# Altium PCB UniBot-PW01 V1.0.PcbDoc (continued)
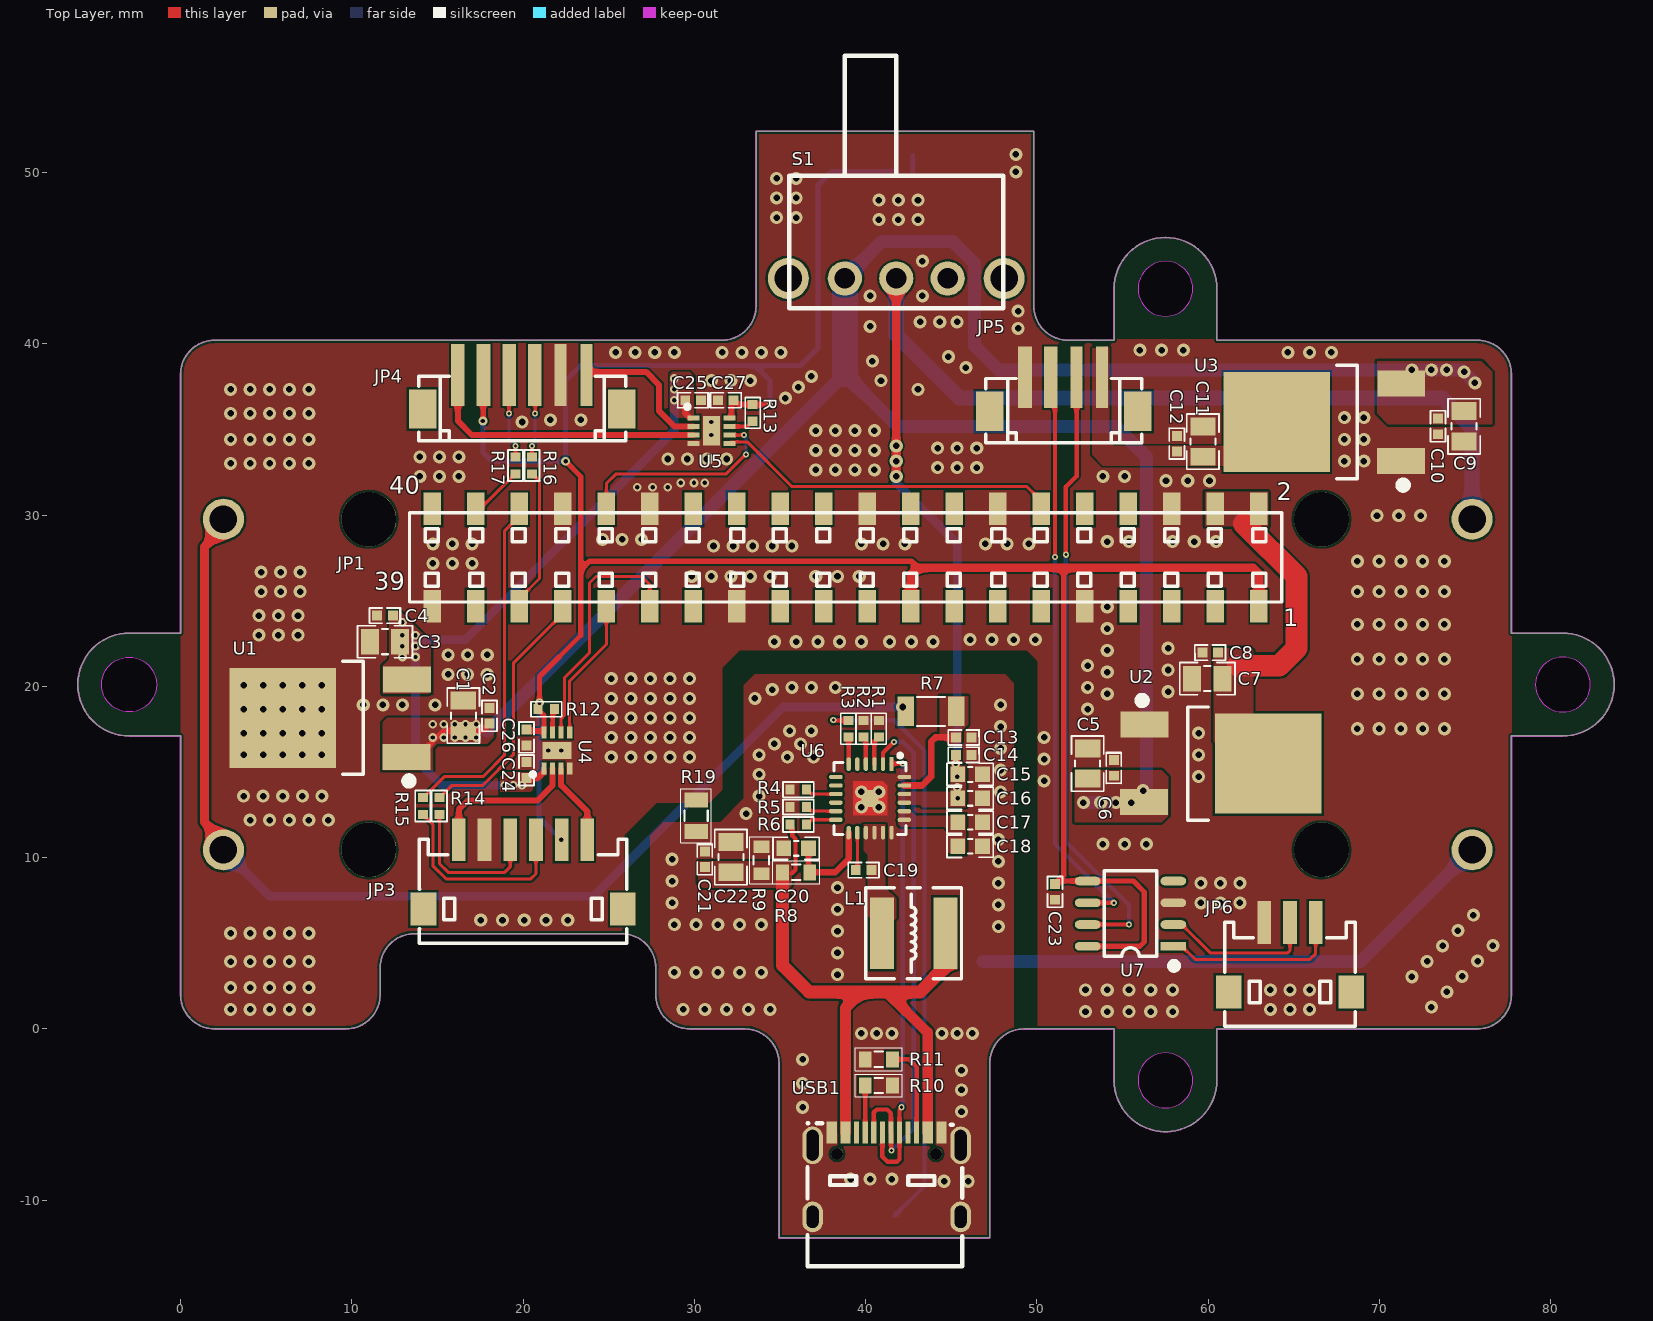
[diagram p0: Top Layer view]
## Part data (continued)
R8: library part E01R00980, "RES SMD 0.5R OHM 1& 1/10W 0603", MPN=0603WAF500LT5E, Power="100mW, 1/10W", Temperature="-55¡ãC ¡« 155¡", Tolerance=±1%, Component=Standard, ComponentLink1Description=Datasheet, ComponentLink1URL=https://atta.szlcsc.com/upload/public/pdf/source/20200306/C422600_1E6D84923E4A46A82E41ADD87F860B5C.pdf, MFG=UNI-ROYAL(厚声, Part Number=E01R00980, Part Type=RES, Updated Time=2024/7/15
R9 R10 R11: library part E01R00981, "KES SMD 5.1K OHM 1% 1/10W 0603", MPN=RS-03K5101FT, Power="100mW, 1/10W", Temperature="-55¡ãC ¡« 155¡", Tolerance=±1%, Component=Standard, ComponentLink1Description=Datasheet, ComponentLink1URL=https://atta.szlcsc.com/upload/public/pdf/source/20140616/1457707091974.pdf, MFG=FH, Part Number=E01R00981, Part Type=RES, Updated Time=2024/7/15
R12 R13 R14 R15 R16 R17: library part E01R00001, "RES SMD 0R OHM 1% 1/16W 0402", MPN=RC-02000FT, Power=62.5mW，1/16W, Temperature="-55¡ãC ¡« 155¡", Tolerance=±1%, Component=Standard, ComponentLink1Description=Datasheet, ComponentLink1URL=https://atta.szlcsc.com/upload/public/pdf/source/20210810/804F937F2E44474796563B62A5505FAF.pdf, MFG=FH, Part Number=E01R00001, Part Type=RES, Updated Time=2024/5/28
R18: library part E01R00975, "KES SMD 10K OHM 0.1% 1/16W 0402", MPN=RT0402BRD0710KL, Power=62.5mW,1/16W, Temperature="-55¡ãC ¡« 155¡", Tolerance=±0.1%, Component=Standard, ComponentLink1Description=Datasheet, ComponentLink1URL=https://atta.szlcsc.com/upload/public/pdf/source/20181009/C309664_C7CEF5A7F4D0541F96EF5E54D941D229.pdf, MFG=YAGEO, Part Number=E01R00975, Part Type=RES, Updated Time=2024/7/3
R19: library part E01R00973, "RES SMD 0R OHM 1% 1/8W 0805", MPN=RS-05000FT, Power=125mW，1/8W, Temperature="-55¡ãC ¡« 155¡", Tolerance=±1%, Component=Standard, ComponentLink1Description=Datasheet, ComponentLink1URL=https://atta.szlcsc.com/upload/public/pdf/source/20190416/C388574_AF5EE7CF95265921D8572CAE9AC5BCAC.pdf, MFG=FH, Part Number=E01R00973, Part Type=RES, Updated Time=2024/6/17
S1: library part SSW-1P, "1路波动开关", BOM名称=²¨¶, 学习资源=www.ooocke.
U1: library part CJ7806
U2 U3: library part CJ7805
U6: Manufacturer=Injoinic, Contributor=JustBlackQ, link=http://www.sz-dowell.com/static/upload/ueditor/file/20190528/1559009056187024649.pdf, Manufacturer Part=IP2326, spicePre=U, spiceSymbolName=IP2326, Supplier Part=IP2326
U7: "USBתTTLоƬ"
USB1: Manufacturer="SHOU HAN", Contributor=LCSC, Manufacturer Part=TYPE-C16PIN, spicePre=U, spiceSymbolName=TYPE-C16PIN, Supplier=LCSC, Supplier Part=C393939

## Via types
v1: diameter 0.762, hole 0.381, Top Layer to Bottom Layer, tented both sides, 425 vias
v2: diameter 0.508, hole 0.254, Top Layer to Bottom Layer, tented both sides, 41 vias
v3: diameter 0.356, hole 0.178, Top Layer to Bottom Layer, tented both sides, 16 vias

## Nets (pads, with @x,y where several pads share a name; then routed paths per layer and width w, separated by ;. In a path a pad name is that pad's centre, name@x,y a point inside that pad or via, vN(x,y) a via of type N, cw(c..) or ccw(c..) an arc to the next point about the centre after c; other vN are vias at no path point)
CHAGRE_DM: U6.1 USB1.A6 USB1.B6 | length 26.4
  Top Layer w0.254: USB1.A6 40.971,-7.443 41.275,-7.747 41.822,-7.747 41.971,-7.598 USB1.B6 41.971,-4.714 42.085,-4.599 v3(42.085,-4.572) ; U6.1 41.509,15.492 41.511,15.494 v3(42.164,15.494)
  Bottom Layer w0.254: v3(42.085,-4.572) 42.164,-4.493 v3(42.164,15.494)
CHARGE_DP: U6.2 USB1.A7 USB1.B7 | length 31.3
  Top Layer w0.254: USB1.B7 40.471,-4.868 40.64,-4.699 41.253,-4.699 41.471,-4.917 USB1.A7 41.494,-6.071 41.494,-7.077 v3@41.529,-7.112 ; U6.2 41.011,15.464 41.011,16.119 v3(41.656,16.764)
  Bottom Layer w0.254: v3(41.511,-7.094) 42.799,-5.807 42.799,16.129 42.164,16.764 v3(41.656,16.764)
GND: C1.2 C2.2 C3.1 C4.1 C5.2 C6.2 C7.1 C8.1 C9.2 C10.2 C11.1 C12.1 C23.2 C24.2 C25.2 C26.2 C27.2 D2.C JP1.6 JP1.9 JP1.14 JP1.20 JP1.25 JP1.30 JP1.34 JP1.39 JP3.2 JP4.2 JP5.4 JP6.1 R19.2 U1.2 U2.1 U3.1 U4.4 U4.9 U5.4 U5.9 U7.3
  other v1: 52.832,1.016 54.102,1.016 55.372,1.016 56.642,1.016 57.912,1.016 2.921,1.143 4.064,1.143 5.207,1.143 6.35,1.143 7.493,1.143 63.627,1.143 64.77,1.143 65.913,1.143 73.025,1.27 73.923,2.168 52.832,2.286 54.102,2.286 55.372,2.286 56.642,2.286 57.912,2.286 63.627,2.286 64.77,2.286 65.913,2.286 2.921,2.413 4.064,2.413 5.207,2.413 6.35,2.413 7.493,2.413 71.882,3.048 74.821,3.066 2.921,3.937 4.064,3.937 5.207,3.937 6.35,3.937 7.493,3.937 72.78,3.946 75.719,3.964 73.678,4.844 76.617,4.862 2.921,5.588 4.064,5.588 5.207,5.588 6.35,5.588 7.493,5.588 74.576,5.742 17.526,6.35 18.796,6.35 20.066,6.35 21.336,6.35 22.606,6.35 75.474,6.64 59.563,7.366 60.706,7.366 61.849,7.366 59.563,8.509 60.706,8.509 61.849,8.509 53.848,10.795 55.118,10.795 56.388,10.795 4.064,12.192 5.207,12.192 6.35,12.192 7.493,12.192 8.636,12.192 3.683,13.589 4.826,13.589 5.969,13.589 7.112,13.589 8.255,13.589 50.419,14.478 59.436,14.732 50.419,15.748 25.146,15.875 26.289,15.875 27.432,15.875 28.575,15.875 29.718,15.875 3.683,16.002 4.826,16.002 5.969,16.002 7.112,16.002 8.255,16.002 59.436,16.002 25.146,17.018 26.289,17.018 27.432,17.018 28.575,17.018 29.718,17.018 50.419,17.018 3.683,17.272 4.826,17.272 5.969,17.272 7.112,17.272 8.255,17.272 59.436,17.272 68.707,17.526 69.977,17.526 71.247,17.526 72.517,17.526 73.787,17.526 25.146,18.161 26.289,18.161 27.432,18.161 28.575,18.161 29.718,18.161 3.683,18.669 4.826,18.669 5.969,18.669 7.112,18.669 8.255,18.669 52.959,18.669 10.668,18.923 11.811,18.923 12.954,18.923 14.859,18.923 25.146,19.304 26.289,19.304 27.432,19.304 28.575,19.304 29.718,19.304 54.102,19.558 68.707,19.558 69.977,19.558 71.247,19.558 72.517,19.558 73.787,19.558 57.658,19.685 52.959,19.939 3.683,20.066 4.826,20.066 5.969,20.066 7.112,20.066 8.255,20.066 25.146,20.447 26.289,20.447 27.432,20.447 28.575,20.447 29.718,20.447 15.621,20.701 16.764,20.701 17.907,20.701 54.102,20.828 57.658,20.955 52.959,21.209 68.707,21.59 69.977,21.59 71.247,21.59 72.517,21.59 73.787,21.59 15.621,21.844 16.764,21.844 17.907,21.844 54.102,22.098 57.658,22.225 34.671,22.606 35.941,22.606 37.211,22.606 38.481,22.606 39.751,22.606 41.402,22.606 42.672,22.606 43.942,22.606 46.101,22.733 47.371,22.733 48.641,22.733 49.911,22.733 4.572,22.987 5.715,22.987 6.858,22.987 54.102,23.368 68.707,23.622 69.977,23.622 71.247,23.622 72.517,23.622 73.787,23.622 4.572,24.13 5.715,24.13 6.858,24.13 54.102,24.638 4.699,25.527 5.842,25.527 6.985,25.527 68.707,25.527 69.977,25.527 71.247,25.527 72.517,25.527 73.787,25.527 29.845,26.416 30.988,26.416 32.131,26.416 33.274,26.416 34.417,26.416 37.084,26.416 38.354,26.416 39.624,26.416 4.699,26.67 5.842,26.67 6.985,26.67 14.732,27.178 15.875,27.178 17.018,27.178 68.707,27.305 69.977,27.305 71.247,27.305 72.517,27.305 73.787,27.305 31.115,28.194 32.258,28.194 33.401,28.194 34.544,28.194 35.687,28.194 14.732,28.321 15.875,28.321 17.018,28.321 39.751,28.321 41.021,28.321 42.291,28.321 46.99,28.321 48.26,28.321 49.53,28.321 54.102,28.448 55.372,28.448 57.912,28.448 59.182,28.448 60.452,28.448 24.638,28.575 25.781,28.575 26.924,28.575 69.85,29.972 71.12,29.972 72.39,29.972 57.531,32.004 58.801,32.004 60.071,32.004 13.97,32.258 15.113,32.258 16.256,32.258 53.848,32.258 55.118,32.258 37.084,32.639 38.227,32.639 39.37,32.639 40.513,32.639 44.196,32.766 45.339,32.766 46.482,32.766 2.921,33.02 4.064,33.02 5.207,33.02 6.35,33.02 7.493,33.02 67.945,33.147 69.088,33.147 28.448,33.274 29.591,33.274 30.734,33.274 31.877,33.274 13.97,33.401 15.113,33.401 16.256,33.401 37.084,33.782 38.227,33.782 39.37,33.782 40.513,33.782 44.196,33.909 45.339,33.909 46.482,33.909 2.921,34.417 4.064,34.417 5.207,34.417 6.35,34.417 7.493,34.417 67.945,34.417 69.088,34.417 37.084,34.925 38.227,34.925 39.37,34.925 40.513,34.925 19.939,35.433 21.59,35.56 23.368,35.56 67.945,35.687 69.088,35.687 2.921,35.941 4.064,35.941 5.207,35.941 6.35,35.941 7.493,35.941 35.306,36.83 2.921,37.338 4.064,37.338 5.207,37.338 6.35,37.338 7.493,37.338 43.053,37.338 36.068,37.465 30.988,37.846 32.131,37.846 33.274,37.846 40.894,37.846 36.83,38.1 45.847,38.608 40.386,38.989 44.831,39.243 25.4,39.497 26.543,39.497 27.686,39.497 28.829,39.497 31.623,39.497 32.766,39.497 33.909,39.497 35.052,39.497 64.643,39.497 65.913,39.497 67.183,39.497 56.007,39.624 57.277,39.624 58.547,39.624 48.895,40.894 40.259,41.021 43.18,41.275 44.323,41.275 45.339,41.275 48.895,41.91 40.259,42.799 43.307,42.799 43.307,44.831 40.767,47.244 41.91,47.244 43.053,47.244 34.798,47.371 35.941,47.371 40.767,48.387 41.91,48.387 43.053,48.387 34.798,48.514 35.941,48.514 34.798,49.657 35.941,49.657 48.768,50.038 48.768,51.054
  other v2: 21.463,16.256 22.225,16.256 26.67,31.623 27.559,31.623 28.448,31.623 29.21,31.877 29.972,31.877 30.607,31.877 30.988,34.671 30.988,35.433
GPIO2: JP1.3
GPIO3: JP1.5
GPIO4: JP1.7
GPIO5: JP1.29 U4.6 | length 14.6
  Top Layer w0.178: U4.6 22.221,18.117 22.416,18.312 22.416,20.511 23.876,21.971 23.876,26.035 24.257,26.416 26.924,26.416 27.397,25.943 JP1.29
GPIO6: JP1.31 U4.5 | length 8.3
  Top Layer w0.178: U4.5 22.721,20.308 24.857,22.444 JP1.31
GPIO7: JP1.26
GPIO8: JP1.24
GPIO9: JP1.21
GPIO10: JP1.19
GPIO11: JP1.23
GPIO12: JP1.32 U5.6 | length 12.4
  Top Layer w0.178: JP1.32 24.857,31.842 25.4,32.385 31.832,32.385 32.975,33.528 v3(33.02,33.528) ; U5.6 32.042,34.671 v3(32.893,34.671)
  Bottom Layer w0.178: v3(32.893,34.671) 33.02,34.544 v3(33.02,33.528)
GPIO13: JP1.33 R14.1 | length 15.4
  Top Layer w0.178: R14.1 15.138,13.501 15.861,14.224 17.653,14.224 19.431,16.002 19.431,21.351 22.317,24.237 JP1.33
  Top Layer w0.254: JP1.33@22.317,24.897 JP1.33@22.317,25.117
GPIO14: JP1.8
GPIO15: JP1.10
GPIO16: JP1.36 R15.1 | length 20.5
  Top Layer w0.178: R15.1 14.174,13.501 15.405,14.732 17.653,14.732 18.923,16.002 18.923,29.083 19.777,29.937 JP1.36
GPIO17: JP1.11
GPIO18: JP1.12 U5.5 | length 20.1
  Top Layer w0.178: U5.5 32.14,34.277 33.081,34.277 35.698,31.661 49.413,31.661 50.257,30.817 JP1.12
GPIO19: JP1.35 R16.1 | length 8.4
  Top Layer w0.178: JP1.35 19.777,25.117 20.955,26.295 20.955,31.975 20.723,32.207 20.723,32.232 20.547,32.408 R16.1
GPIO20: JP1.38 R17.1 | length 3.7
  Top Layer w0.178: JP1.38 17.237,30.817 17.589,30.464 19.533,32.408 R17.1
GPIO21: JP1.40
GPIO22: JP1.15
GPIO23: JP1.16
GPIO24: JP1.18
GPIO25: JP1.22
GPIO26: JP1.37
GPIO27: JP1.13
ID_SC: JP1.28
ID_SD: JP1.27
LD_RX: JP5.3 U7.6 | length 33.7
  Top Layer w0.254: JP5.3 51.054,37.795 v3(51.054,27.559) ; U7.6 v3(54.483,7.366)
  Bottom Layer w0.254: v3(51.054,27.559) 51.054,10.795 v3(54.483,7.366)
LD_TX: JP5.2 U7.7 | length 36.2
  Top Layer w0.254: v3(51.689,27.686) 51.689,31.647 52.312,32.27 52.312,38.037 JP5.2 ; U7.7 v3(55.372,6.096)
  Bottom Layer w0.254: v3(51.689,27.686) 51.689,10.922 55.372,7.239 v3(55.372,6.096)
M1_A: JP3.3 R14.2 | length 8.9
  Top Layer w0.178: R14.2 15.113,9.652 15.621,9.144 18.923,9.144 19.25,9.471 JP3.3
M1_B: JP3.4 R15.2 | length 11.7
  Top Layer w0.178: R15.2 14.174,12.531 14.35,12.355 14.35,12.33 14.732,11.947 14.732,9.525 15.494,8.763 20.447,8.763 20.75,9.066 JP3.4
M1_F: JP3.6 U4.3 | length 4.8
  Top Layer w0.356: U4.3 22.221,14.228 23.749,12.7 JP3.6 JP3.6
M1_Z: JP3.1 U4.2 | length 8.8
  Top Layer w0.356: JP3.1 16.25,12.821 16.764,13.335 20.828,13.335 21.721,14.228 U4.2
M2_A: JP4.3 R16.2 | length 4.9
  Top Layer w0.178: R16.2 v3(20.522,34.036) ; v3(20.701,35.918) JP4.3@20.701,38.176
  Bottom Layer w0.178: v3(20.522,34.036) 20.701,34.215 v3(20.701,35.918)
M2_B: JP4.4 R17.2 | length 5
  Top Layer w0.178: v3(19.177,35.918) JP4.4@19.177,38.176 ; R17.2 v3(19.558,34.036)
  Bottom Layer w0.178: v3(19.177,35.918) 19.177,34.417 v3(19.558,34.036)
M2_F: JP4.6 U5.3 | length 16.8
  Top Layer w0.356: JP4.6 16.188,35.501 17.014,34.675 U5.3
M2_Z: JP4.1 U5.2 | length 8.5
  Top Layer w0.356: JP4.1 23.688,38.182 23.86,38.354 27.178,38.354 27.94,37.592 27.94,36.068 28.833,35.175 U5.2
NetC13_2: C13.2 R7.1 U6.23 | length 5.7
  Top Layer w0.381: U6.23 43.295,14.212 43.815,14.732 43.815,16.764 44.069,17.018 C13.2 C13.2@45.271,17.029 ; R7.1 R7.1@45.295,18.922
NetC17_2: C17.2 C18.2 U6.19 U6.20
NetC19_1: C19.1 L1.1 U6.15 U6.16 U6.17
NetC19_2: C19.2 U6.14 | length 2.2
  Top Layer w0.178: U6.14 39.509,9.307 C19.2@39.545,9.271
NetC20_1: C20.1 R8.1 U6.13 | length 5.2
  Top Layer w0.178: R8.1@36.661,9.219 R8.1
  Top Layer w0.254: R8.1@36.661,9.219 C20.1
  Top Layer w0.381: 37.117,9.144 38.227,9.144 39.009,9.926 U6.13
NetD1_A: D1.A R3.1 | length 34.8
  Top Layer w0.254: v3@38.123,18.011 R3.1
  Bottom Layer w0.254: v3(38.107,18.027) 41.663,18.027 43.434,16.256 43.434,-1.397 43.434,-9.163 41.7,-10.897 D1.A
NetD2_A: D2.A R18.1 | length 1
  Bottom Layer w0.254: R18.1@42.716,50.038 R18.1@42.746,50.008 ; R18.1@42.746,50.068 D2.A@42.746,51.024
NetR1_2: R1.2 U6.3 | length 1.7
  Top Layer w0.178: R1.2@40.742,17.041 R1.2
  Top Layer w0.254: U6.3 40.509,16.808 R1.2@40.742,17.041
NetR2_2: R2.2 U6.4 | length 1.6
  Top Layer w0.178: R2.2 R2.2@40.009,16.91
  Top Layer w0.254: U6.4 R2.2@40.009,16.91
NetR3_2: R3.2 U6.6 | length 1.6
  Top Layer w0.254: R3.2 39.007,17.023 39.007,15.464 U6.6
NetR4_2: R4.2 U6.9 | length 1.8
  Top Layer w0.178: R4.2 36.553,13.945 36.786,13.712 U6.9
NetR5_2: R5.2 U6.11 | length 1.8
  Top Layer w0.178: R5.2 36.553,12.929 36.77,12.712 U6.11
NetR6_1: R6.1 U6.12 | length 1.8
  Top Layer w0.178: R6.1 36.553,11.963 36.802,12.212 U6.12
NetR10_2: R10.2 USB1.A5 | length 2.7
  Top Layer w0.254: USB1.A5@39.972,-6.047 R10.2@39.972,-3.302
NetR11_2: R11.2 USB1.B5 | length 5.4
  Top Layer w0.254: R11.2 42.545,-1.778 42.971,-2.204 USB1.B5
NetR12_1: R12.1 U4.7 | length 1.4
  Top Layer w0.254: U4.7 21.721,18.546 R12.1
NetR13_1: R13.1 U5.7 | length 1.5
  Top Layer w0.254: U5.7 33.072,35.175 33.376,35.479 R13.1
PGND: C13.1 C14.1 C15.2 C16.2 C17.1 C18.1 C20.2 C21.2 C22.2 D1.C JP2.3 R1.1 R2.1 R4.1 R5.1 R9.2 R10.1 R11.1 R19.1 U6.18 U6.24 U6.25 USB1.1 USB1.2 USB1.3 USB1.4 USB1.A1B12 USB1.B1A12 | length 31.2
  Bottom Layer w0.762: 46.863,3.937 68.883,3.937 JP2.3
  other v1: 44.577,-8.89 45.974,-8.89 39.116,-8.763 40.259,-8.763 41.529,-8.763 45.593,-4.826 36.322,-4.572 45.593,-3.556 36.322,-3.175 45.593,-2.413 36.322,-1.778 39.751,-0.254 40.64,-0.254 41.529,-0.254 44.45,-0.254 45.339,-0.254 46.228,-0.254 29.337,1.143 30.607,1.143 31.877,1.143 33.147,1.143 34.417,1.143 38.354,3.175 28.829,3.302 30.099,3.302 31.369,3.302 32.639,3.302 33.909,3.302 38.354,4.445 38.354,5.715 47.752,5.969 28.829,6.096 30.099,6.096 31.369,6.096 32.639,6.096 33.909,6.096 38.354,6.985 47.752,7.239 28.702,7.366 38.354,8.255 47.752,8.509 28.702,8.636 47.752,9.779 28.702,9.906 47.752,11.049 33.02,12.573 39.751,12.954 40.767,12.954 33.782,13.589 39.751,13.843 40.767,13.843 47.879,13.843 33.782,14.859 47.879,15.113 35.433,15.875 36.957,15.875 33.782,16.002 47.879,16.383 34.671,16.637 36.195,16.637 35.56,17.399 36.83,17.399 47.879,17.653 47.879,18.923 33.528,19.304 34.544,19.812 35.687,19.939 36.83,19.939 38.227,19.939
VBAT: C14.2 C15.1 C16.1 JP2.1 S1.2 U6.21 U6.22 | length 76.4
  Top Layer w0.254: C15.1@45.26,14.98 C15.1
  Top Layer w0.508: v1(41.783,32.258) v1(41.783,33.147) v1(41.783,34.036) S1.2 ; C15.1@45.26,14.98 v2(45.26,15.491) C14.2
  Bottom Layer w0.508: v1(41.783,34.036) v1(41.783,33.147) v1(41.783,32.258) 41.783,31.877 45.339,28.321 45.339,16.383
  Bottom Layer w0.889: S1.2 41.783,40.513 45.466,36.83 73.66,36.83 75.403,35.087 JP2.1
  other v2: 45.381,13.462 45.339,14.097 45.339,14.732
VBATM: JP2.2 R7.2 | length 65.6
  Top Layer w0.508: JP2.2@2.503,10.457 2.503,10.969 1.397,12.075 1.397,28.139 2.503,29.245 JP2.2@2.503,29.757
  Bottom Layer w0.508: JP2.2@2.503,10.457 5.213,7.747 24.13,7.747 35.179,18.796 v1(42.164,18.796)
VBUS: C21.1 C22.1 L1.2 R6.2 R8.2 R9.1 USB1.A4B9 USB1.B4A9 | length 39.2
  Top Layer w0.254: R6.2 35.721,11.8 35.721,11.28 35.905,11.096 35.905,9.299 35.687,9.08
  Top Layer w0.635: USB1.A4B9 38.821,1.229 39.751,2.159 ; 41.084,2.159 41.245,2.159 43.621,-0.217 USB1.B4A9 ; L1.2 44.649,4.188 L1.2@44.929,3.908
  Top Layer w0.762: R8.2 35.146,3.716 36.703,2.159 39.751,2.159 41.084,2.159 ; 41.245,2.159 43.18,2.159 L1.2@44.929,3.908
VCC_3V3: C23.1 C26.1 C27.1 JP1.1 JP1.17 JP3.5 JP4.5 R12.2 R13.2 R18.2 U4.8 U5.8 U7.5 U7.8 | length 152.1
  Top Layer w0.305: v2(17.653,35.491) 17.671,35.508 17.671,38.159 JP4.5 ; C26.1 20.279,17.392 21.219,17.392 U4.8@21.221,17.39 ; U4.8 U4.8@21.221,17.39 ; v2(22.479,33.147) 23.368,32.258 23.368,26.797 ; U5.8 32.161,35.675 32.163,35.677 32.163,36.578 C27.1 32.543,36.449 R13.2 v3(34.417,36.449) ; 43.053,26.924 42.672,27.305 23.876,27.305 23.368,26.797 ; C23.1 C23.1@51.229,8.636 ; 51.562,26.924 51.562,8.969 C23.1@51.229,8.636 ; U7.8 56.007,4.826 56.261,5.08 56.261,8.001 55.626,8.636 U7.5 C23.1@51.229,8.636 ; U4.8@21.221,17.39 21.221,18.297 20.874,18.644 R12.2 20.828,18.715 20.955,18.842 v2(20.955,19.05) 20.955,20.574 23.368,22.987 23.368,26.797
  Top Layer w0.508: JP1.17 42.637,26.508 43.053,26.924 51.562,26.924 62.611,26.924 62.957,26.578 JP1.1
  Bottom Layer w0.305: v2(17.653,35.491) 17.653,33.655 18.161,33.147 v2(22.479,33.147) 22.479,37.846 23.368,38.735 33.528,38.735 ; v2(20.955,19.05) 20.93,19.025 20.93,12.344 v2(22.225,11.049) ; v3(34.417,36.449) 34.417,37.846 33.528,38.735 ; R18.2 37.973,50.038 37.211,49.276 37.211,39.751 36.195,38.735 33.528,38.735
VCC_5V: C7.2 C8.2 JP1.2 JP1.4 U2.2 | length 12.4
  Top Layer w1.27: 61.722,21.209 64.135,21.209 65.151,22.225 65.151,26.416 62.074,29.493
VCC_6V: C3.2 C4.2 C24.1 C25.1 U1.3 U4.1 U5.1 | length 40.1
  Top Layer w0.254: U4.1@21.221,15.006 U4.1 ; U5.1@29.738,35.675 U5.1
  Top Layer w0.356: C24.1 20.868,14.653 U4.1@21.221,15.006 ; C25.1 29.464,35.949 U5.1@29.738,35.675
  Bottom Layer w0.5: v2(19.939,14.224) v2(19.431,14.224) v2(18.923,14.224) 15.24,14.224 13.716,15.748 v2(13.716,21.717) v2(13.716,22.352) v2(13.716,22.987) 13.97,22.733 16.637,22.733 28.829,34.925 v2(28.829,36.703) v2(28.829,37.338) v2(28.829,37.973)
  other v2: 12.954,21.717 12.954,22.352 12.954,22.987 12.954,23.749
VCC_LD_5V: C11.2 C12.2 JP5.1 U3.2
VIN_8V4: C1.1 C2.1 C5.1 C6.1 C9.1 C10.1 S1.1 U1.1 U2.3 U3.3 | length 126.8
  Top Layer w0.3: U1.1@13.837,15.886 15.354,17.403 C1.1 17.609,17.403 C2.1
  Bottom Layer w0.762: 17.918,17.388 32.598,32.067 38.693,38.163 ; 38.783,38.252 41.856,35.179 54.61,35.179 56.388,33.401 56.388,14.097 v1(56.197,13.906) v1(55.499,13.208) v1(54.61,13.208) v1(53.721,13.208) v1(52.705,13.208) ; S1.1 40.942,45.974 45.085,45.974 46.355,44.704 46.355,39.878 47.752,38.481 v1(71.882,38.481) v1(73.025,38.481) v1(73.914,38.481) 74.803,38.481 v1(74.93,38.354) v1(75.565,37.719)
  Bottom Layer w1.524: 38.783,38.252 S1.1
  other v2: 14.732,17.018 15.367,17.018 16.002,17.018 16.637,17.018 17.272,17.018 14.732,17.78 15.367,17.78 16.002,17.78 16.637,17.78 17.272,17.78
ZERO_USB+: JP6.3 U7.1 | length 10.6
  Top Layer w0.178: U7.1 58.459,4.826 59.221,4.064 65.936,4.064 66.27,4.398 JP6.3
ZERO_USB-: JP6.2 U7.2 | length 9.2
  Top Layer w0.178: U7.2 58.459,6.096 60.11,4.445 64.643,4.445 64.77,4.572 64.77,4.692 JP6.2
pads on no net: JP2. JP3.0 JP4.0 JP5.0 JP6.0 S1.0 S1.3 U6.5 U6.7 U6.8 U6.10 U7.4 USB1. USB1.A8 USB1.B8

## Polygon pours and split planes (outlines as drawn)
GND on Top Layer "Top Layer-GND" (solid, remove dead copper, pour order 66): 0,40.259 31.877,40.259 33.528,41.91 33.528,52.451 49.784,52.451 49.784,42.037 51.562,40.259 76.327,40.259 77.724,38.862 77.724,1.143 76.581,0 50.038,0 50.038,21.463 49.403,22.098 32.639,22.098 31.623,21.082 31.623,13.97 30.861,13.208 27.813,13.208 25.908,11.303 25.908,5.588 25.781,5.461 12.954,5.461 11.811,4.318 11.811,1.143 10.668,0 0.635,0 0,0.635
PGND on Top Layer "Top Layer-PGND" (solid, remove dead copper, pour order 52): 27.432,11.303 28.194,12.065 31.496,12.065 32.893,13.462 32.893,20.066 33.528,20.701 48.133,20.701 48.641,20.193 48.641,0 47.371,-1.27 47.371,-12.319 34.925,-12.319 34.925,-1.524 33.401,0 27.432,0
VIN_8V4 on Top Layer "Top Layer-VIN_8V4 1" (solid, remove dead copper, pour order 62): 52.197,15.113 57.277,15.113 57.658,14.732 57.658,12.446 57.277,12.065 52.197,12.065
VCC_5V on Top Layer "Top Layer-VCC_5V 1" (solid, remove dead copper, pour order 60): 60.325,22.225 60.325,16.764 61.341,15.748 61.976,15.748 62.611,16.383 62.611,22.098 62.484,22.225
VIN_8V4 on Top Layer "Top Layer-VIN_8V4 2" (solid, remove dead copper, pour order 58): 69.85,38.989 75.946,38.989 76.581,38.354 76.581,35.306 70.485,35.306 69.85,35.941
VCC_LD_5V on Top Layer "Top Layer-VCC_LD_5V" (solid, pour order 56): 53.213,39.751 53.213,33.528 53.848,32.893 61.849,32.893 62.357,33.401 62.357,33.909 62.23,34.036 54.483,34.036 54.229,34.29 54.229,39.878
no net on Top Layer "Top Layer-No Net 1" (solid, pour order 50): 27.305,4.826
no net on Top Layer "Top Layer-No Net" (solid, pour order 38): 59.436,14.732
VIN_8V4 on Top Layer "Top Layer-VIN_8V4" (solid, remove dead copper, pour order 34): 11.811,17.907 12.065,18.161 18.288,18.161 18.288,17.018 17.907,16.637 14.986,16.637 14.732,16.383 14.732,15.113 11.811,15.113
VCC_6V on Top Layer "Top Layer-VCC_6V 1" (solid, remove dead copper, pour order 26): 28.702,38.354 29.718,38.354 29.972,38.1 29.972,35.809 29.838,35.675 28.968,35.675 28.575,36.068 28.575,38.227
VCC_6V on Top Layer "Top Layer-VCC_6V 2" (solid, remove dead copper, pour order 24): 18.923,14.986 20.574,14.986 20.574,13.97 20.447,13.843 18.669,13.843 18.669,14.732
VCC_5V on Top Layer "Top Layer-VCC_5V" (solid, remove dead copper, pour order 22): 59.817,31.369 63.5,31.369 63.5,29.337 59.817,29.337
VCC_6V on Top Layer "Top Layer-VCC_6V" (solid, remove dead copper, pour order 18): 12.192,24.384 12.192,21.59 11.811,21.209 11.811,19.558 14.478,19.558 14.605,19.685 14.605,22.606 12.827,24.384
NetC13_2 on Top Layer "Top Layer-NetC13_2" (solid, remove dead copper, pour order 10): 44.323,19.431 45.974,19.431 45.974,17.78 45.593,17.399 45.593,16.764 45.466,16.637 44.831,16.637 44.323,17.145
VBUS on Top Layer "Top Layer-VBUS" (solid, remove dead copper, pour order 8): 30.226,9.779 35.687,9.779 35.687,8.382 35.56,8.255 30.48,8.255 30.226,8.509
NetC19_1 on Top Layer "Top Layer-NetC19_1" (solid, remove dead copper, pour order 6): 39.878,11.938 41.148,11.938 41.148,8.255 41.783,7.62 41.783,6.477 41.656,6.35 40.386,6.35 40.132,6.604 40.132,10.16 39.878,10.414
NetC17_2 on Top Layer "Top Layer-NetC17_2" (solid, remove dead copper, pour order 4): 41.91,12.827 42.545,12.827 42.926,12.446 45.847,12.446 45.847,10.287 44.831,10.287 44.831,11.557 44.577,11.811 42.037,11.811 41.91,11.938
VBAT on Top Layer "Top Layer-VBAT" (solid, remove dead copper, pour order 0): 41.91,13.843 44.958,13.843 44.958,15.367 45.847,15.367 45.847,12.954 43.307,12.954 43.18,13.081 41.91,13.081
GND on Bottom Layer "Bottom Layer-GND" (solid, remove dead copper, pour order 64): 0,40.259 31.877,40.259 33.528,41.91 33.528,52.451 49.784,52.451 49.784,42.037 51.562,40.259 76.327,40.259 77.724,38.862 77.724,1.143 76.581,0 50.038,0 50.038,21.463 49.403,22.098 32.639,22.098 31.623,21.082 31.623,13.97 30.861,13.208 27.813,13.208 25.908,11.303 25.908,5.588 25.781,5.461 12.954,5.461 11.811,4.318 11.811,1.143 10.668,0 0.635,0 0,0.635
PGND on Bottom Layer "Bottom Layer-PGND" (solid, remove dead copper, pour order 54): 27.432,11.303 28.194,12.065 31.496,12.065 32.893,13.462 32.893,20.066 33.528,20.701 48.133,20.701 48.641,20.193 48.641,0 47.371,-1.27 47.371,-12.319 34.925,-12.319 34.925,-1.524 33.401,0 27.432,0
VBAT on Bottom Layer "Bottom Layer-VBAT" (solid, remove dead copper, pour order 36): 44.831,16.573 45.72,16.573 45.847,16.447 45.847,13.271 45.72,13.144 44.958,13.144 44.704,13.399 44.704,16.447
VIN_8V4 on Bottom Layer "Top Layer-VIN_8V4" (solid, remove dead copper, pour order 14): 14.224,18.161 18.288,18.161 18.288,17.018 17.907,16.637 14.732,16.637 14.224,16.637
VCC_6V on Bottom Layer "Top Layer-VCC_6V" (solid, remove dead copper, pour order 28): 12.192,24.384 12.192,21.59 11.811,21.209 11.811,19.558 14.478,19.558 14.605,19.685 14.605,22.606 12.827,24.384

## Keep-outs
Keep-Out Layer:
  lines w0.1: -3,17.105 cw(c-3,20.105) -3,23.105 0,23.105 0,38.21 cw(c2,38.21) 2,40.21 31.6,40.21 ccw(c31.6,42.21) 33.6,42.21 33.6,52.41 49.817,52.41 49.817,42.21 ccw(c51.817,42.21) 51.817,40.21 54.501,40.21 54.501,43.21 cw(c57.501,43.21) 60.501,43.21 60.501,40.21 75.701,40.21 cw(c75.701,38.21) 77.701,38.21 77.701,23.105 80.701,23.105 cw(c80.701,20.105) 80.701,17.105 77.701,17.105 77.701,2 cw(c75.701,2) 75.701,0 60.501,0 60.501,-3 cw(c57.501,-3) 54.501,-3 54.501,0 49.24,0 ccw(c49.24,-2) 47.24,-2 47.24,-12.2 34.939,-12.2 34.939,-2 ccw(c32.939,-2) 32.939,0 29.749,0 cw(c29.749,2) 27.749,2 27.749,3.556 ccw(c25.749,3.556) 25.749,5.556 13.652,5.556 ccw(c13.652,3.556) 11.652,3.556 11.652,2 cw(c9.652,2) 9.652,0 2,0 cw(c2,2) 0,2 0,17.105 -3,17.105

## Silkscreen, mask and mechanical layers (free items; w line width, h text height)
Mechanical 1:
  circle w0.254: c57.5,-3 r1.6
  circle w0.254: c57.5,43.21 r1.6
  circle w0.254: c-3,20.105 r1.6
  circle w0.254: c80.7,20.105 r1.6
  lines w0.254: -3,17.105 cw(c-3,20.105) -3,23.105 0,23.105 0,38.21 cw(c2,38.21) 2,40.21 31.6,40.21 ccw(c31.6,42.21) 33.6,42.21 33.6,52.41 49.816,52.41 49.816,42.21 ccw(c51.816,42.21) 51.816,40.21 54.5,40.21 54.5,43.21 cw(c57.5,43.21) 60.5,43.21 60.5,40.21 75.7,40.21 cw(c75.7,38.21) 77.7,38.21 77.7,23.105 80.7,23.105 cw(c80.7,20.105) 80.7,17.105 77.7,17.105 77.7,2 cw(c75.7,2) 75.7,0 60.5,0 60.5,-3 cw(c57.5,-3) 54.5,-3 54.5,0 49.24,0 ccw(c49.24,-2) 47.24,-2 47.24,-12.2 34.939,-12.2 34.939,-2 ccw(c32.939,-2) 32.939,0 29.749,0 cw(c29.749,2) 27.749,2 27.749,3.556 ccw(c25.749,3.556) 25.749,5.556 13.652,5.556 ccw(c13.652,3.556) 11.652,3.556 11.652,2 cw(c9.652,2) 9.652,0 2,0 cw(c2,2) 0,2 0,17.105 -3,17.105
Mechanical 2:
  circle w0.006: c174.398,289.248 r0.003

## Text inside footprints (layer, text, board x,y; h text height)
JP1: Top Overlay "40" at 12.192,31.242 h1.02; Top Overlay "39" at 11.303,25.654 h1.02; Top Overlay "1" at 64.389,23.495 h1.02; Top Overlay "2" at 64.008,30.861 h1.02